# KiCad board phnx.kicad_pcb
title: Phoenix Keyboard; date: 2024-03-17; rev: A
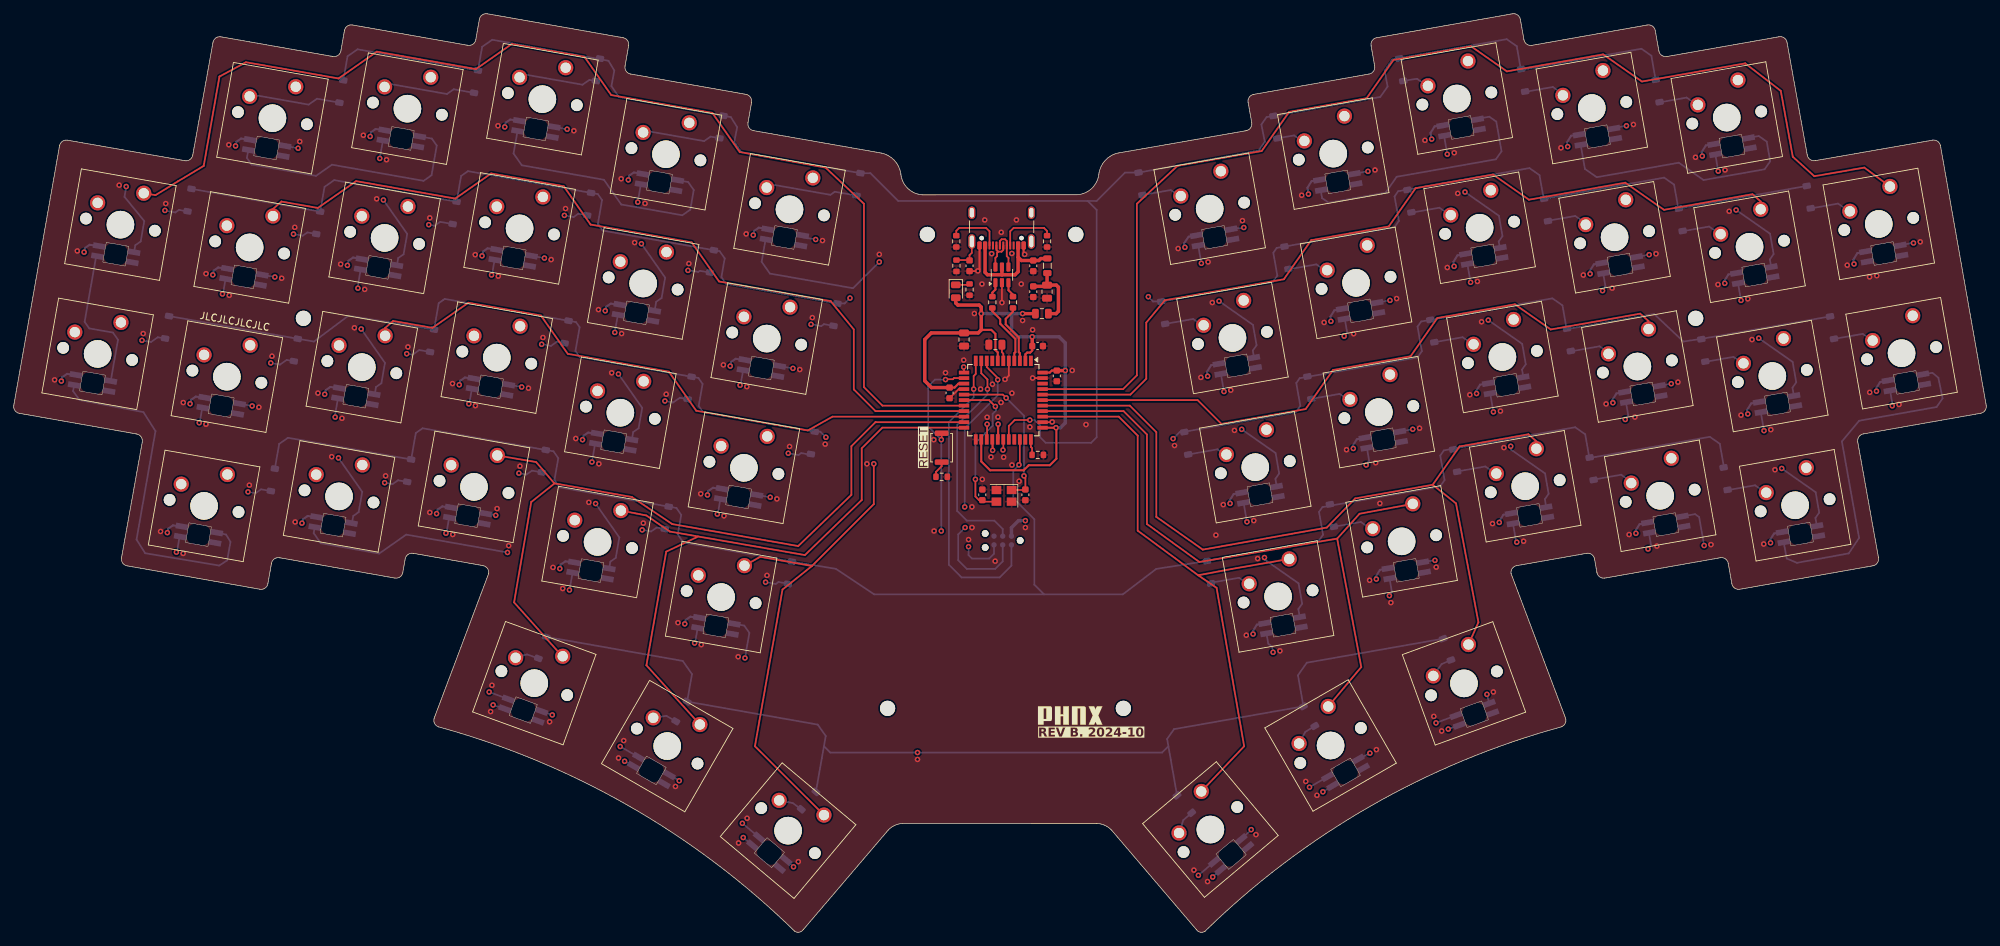
[diagram p0: board, top side]
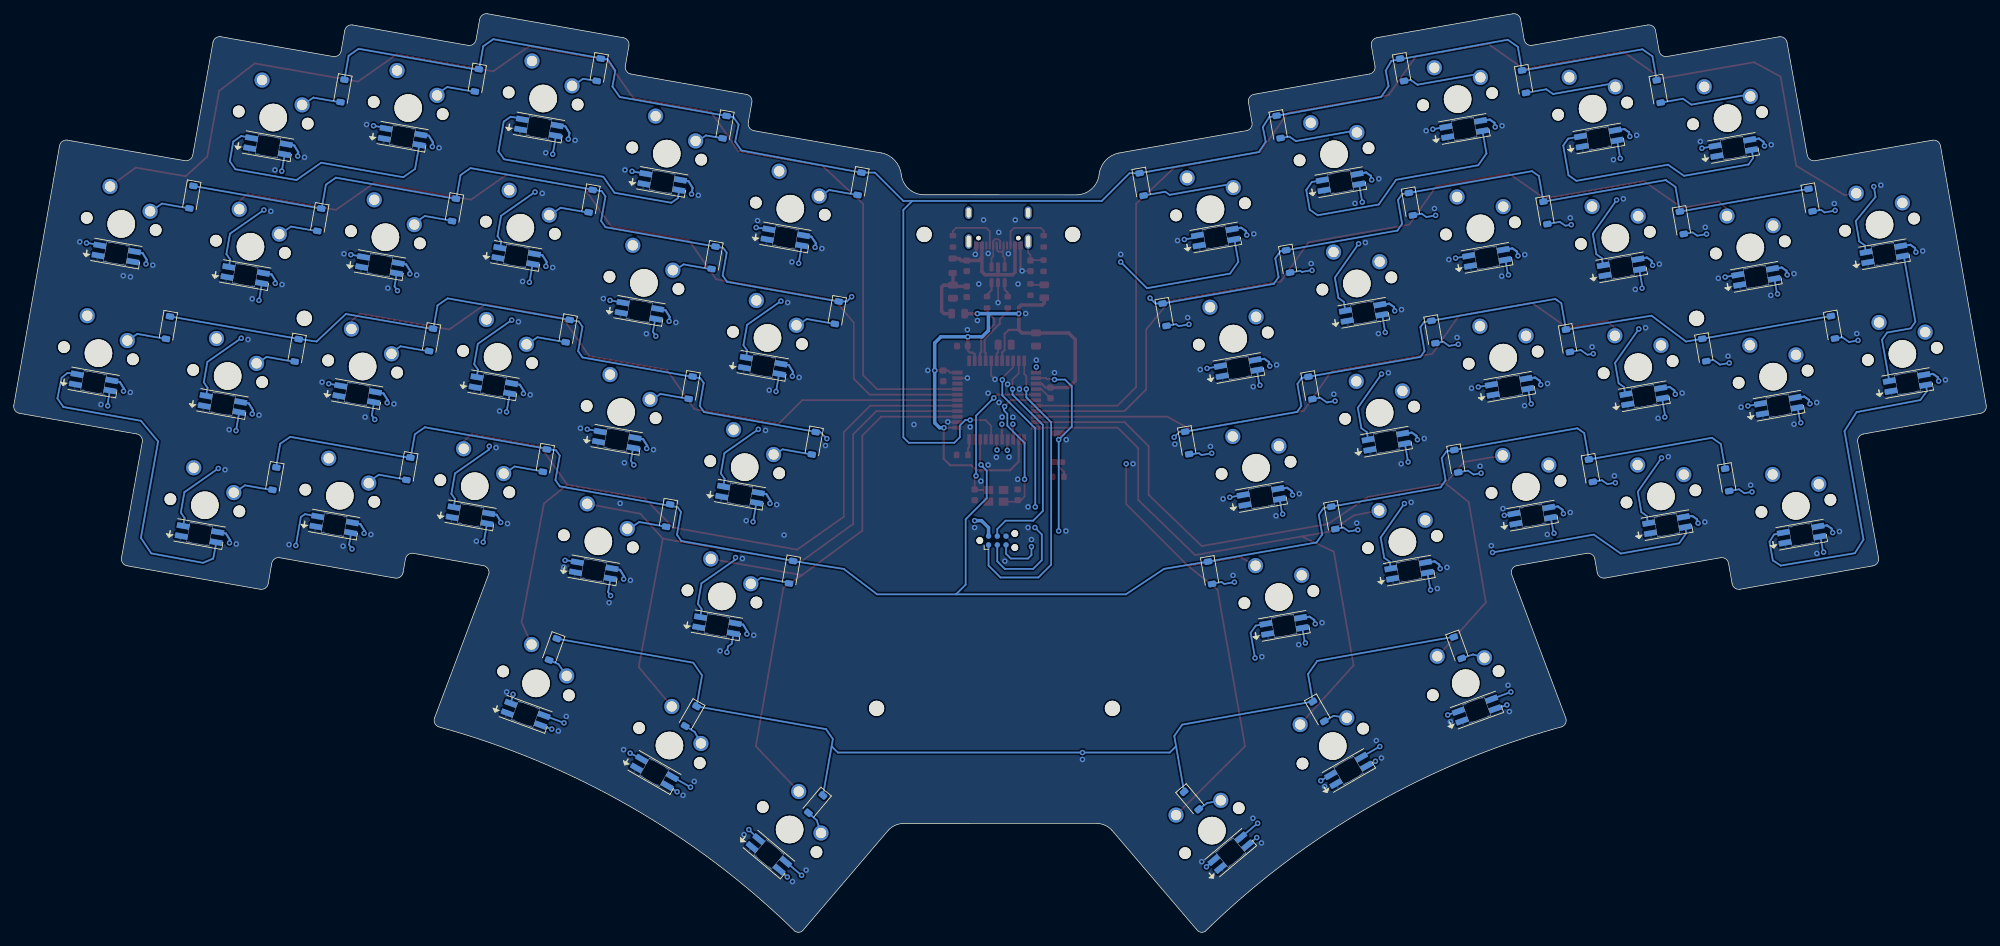
[diagram p1: board, bottom side, seen from below]

Outline 286.26 x 133.32 mm; copper layers: Top, In1.Cu, In2.Cu, Bottom. Coordinates in mm from the lower left corner of the outline.
Outline path: 0.81,75.32 arc(0.17,75.73) 0,76.48 6.64,114.16 arc(7.05,114.8) 7.8,114.97 24.82,111.99 arc(25.56,112.16) 25.97,112.81 28.91,129.17 arc(29.32,129.81) 30.07,129.98 46.31,127.12 arc(47.06,127.29) 47.47,127.93 47.99,130.89 arc(48.4,131.53) 49.15,131.7 65.89,128.74 arc(66.64,128.91) 67.05,129.56 67.57,132.51 arc(67.98,133.16) 68.73,133.32 88.43,129.85 arc(89.07,129.44) 89.24,128.69 88.72,125.74 arc(88.88,124.99) 89.53,124.58 106.27,121.63 arc(106.91,121.21) 107.08,120.47 106.56,117.51 arc(106.72,116.76) 107.37,116.35 125.94,113.1 arc(127.83,112.02) 128.74,110.05 arc(129.77,107.95) 131.92,107.04 154.3,107.06 arc(156.45,107.97) 157.48,110.06 arc(158.4,112.03) 160.29,113.11 178.85,116.35 arc(179.5,116.76) 179.67,117.51 179.14,120.47 arc(179.31,121.21) 179.96,121.63 196.7,124.58 arc(197.34,124.99) 197.51,125.74 196.99,128.69 arc(197.15,129.44) 197.8,129.85 217.49,133.32 arc(218.24,133.16) 218.65,132.51 219.17,129.56 arc(219.59,128.91) 220.33,128.74 237.07,131.7 arc(237.82,131.53) 238.23,130.89 238.75,127.93 arc(239.17,127.29) 239.91,127.12 256.2,129.99 arc(256.94,129.82) 257.36,129.18 260.29,112.82 arc(260.7,112.17) 261.45,112.01 278.47,114.98 arc(279.21,114.81) 279.63,114.17 286.26,76.49 arc(286.1,75.74) 285.45,75.33 268.43,72.33 arc(267.78,71.92) 267.62,71.17 270.63,54.35 arc(270.47,53.6) 269.82,53.19 250.5,49.78 arc(249.76,49.95) 249.34,50.6 248.82,53.55 arc(248.41,54.2) 247.66,54.36 230.92,51.41 arc(230.18,51.57) 229.76,52.22 229.42,54.19 arc(229.01,54.83) 228.26,55 218.12,53.21 arc(217.48,52.8) 217.31,52.05 225.2,31.1 arc(225.17,30.33) 224.61,29.81 arc(196.85,18.28) 172.89,0.14 arc(172.22,0) 171.65,0.37 159.31,14.83 arc(158.35,15.52) 157.2,15.79 129.03,15.8 arc(127.88,15.52) 126.92,14.84 114.57,0.37 arc(114,0) 113.34,0.14 arc(89.37,18.28) 61.62,29.81 arc(61.06,30.33) 61.02,31.1 68.91,52.05 arc(68.75,52.8) 68.1,53.21 57.97,55 arc(57.22,54.83) 56.81,54.19 56.46,52.22 arc(56.05,51.57) 55.3,51.41 38.56,54.36 arc(37.81,54.2) 37.4,53.55 36.88,50.6 arc(36.47,49.95) 35.72,49.78 16.44,53.18 arc(15.8,53.59) 15.63,54.34 18.65,71.16 arc(18.48,71.91) 17.84,72.32 0.81,75.32
Stack: Top 0.035mm / dielectric 0.1mm FR4 er 4.5 / In1.Cu 0.035mm / dielectric 1.24mm FR4 er 4.5 / In2.Cu 0.035mm / dielectric 0.1mm FR4 er 4.5 / Bottom 0.035mm

## Placement (name value [footprint] x y rotation side)
C1  10n  [C_0603_1608Metric]  147.96 96.73 270 top
C2  100n  [C_0603_1608Metric]  147.96 92.98 270 top
C3  4u7  [C_0805_2012Metric]  149.96 92.98 270 top
C4  4n7 250V  [C_0603_1608Metric]  138.71 96.74 270 top
C5  100n  [C_0603_1608Metric]  151.37 80.76 270 top
C6  100n  [C_0603_1608Metric]  135.81 78.29 270 top
C7  100n  [C_0603_1608Metric]  148.59 85.09 0 top
C8  4u7  [C_0805_2012Metric]  137.91 86.04 270 top
C9  1u  [C_0805_2012Metric]  142.46 85.29 180 top
C10  22p  [C_0603_1608Metric]  140.57 63.49 270 top
C11  22p  [C_0603_1608Metric]  146.82 63.49 90 top
D109  LED  [LED_0805_2012Metric]  136.71 93.04 270 top
D402  D_Small  [D_SOD-123]  25.5 106.28 260 bottom
D403  D_Small  [D_SOD-123]  22.24 87.81 260 bottom
D405  D_Small  [D_SOD-123]  47.54 122.04 260 bottom
D406  D_Small  [D_SOD-123]  44.18 102.98 260 bottom
D407  D_Small  [D_SOD-123]  40.93 84.52 260 bottom
D408  D_Small  [D_SOD-123]  37.6 65.66 260 bottom
D409  D_Small  [D_SOD-123]  67.09 123.47 260 bottom
D410  D_Small  [D_SOD-123]  63.98 104.42 260 bottom
D411  D_Small  [D_SOD-123]  60.71 85.85 260 bottom
D412  D_Small  [D_SOD-123]  57.38 67 260 bottom
D413  D_Small  [D_SOD-123]  84.78 125.19 260 bottom
D414  D_Small  [D_SOD-123]  83.5 105.7 260 bottom
D415  D_Small  [D_SOD-123]  80.23 87.13 260 bottom
D416  D_Small  [D_SOD-123]  76.92 68.38 260 bottom
D417  D_Small  [D_SOD-123]  76.7 41.3 250 bottom
D418  D_Small  [D_SOD-123]  102.7 116.9 260 bottom
D419  D_Small  [D_SOD-123]  101.33 97.38 260 bottom
D420  D_Small  [D_SOD-123]  98.09 79.01 260 bottom
D421  D_Small  [D_SOD-123]  94.76 60.15 260 bottom
D422  D_Small  [D_SOD-123]  96.9 32.05 240 bottom
D423  D_Small  [D_SOD-123]  122.59 108.56 260 bottom
D424  D_Small  [D_SOD-123]  119.26 89.64 260 bottom
D425  D_Small  [D_SOD-123]  115.97 71.03 260 bottom
D426  D_Small  [D_SOD-123]  112.65 52.18 260 bottom
D427  D_Small  [D_SOD-123#2]  115.35 19.11 230 bottom
D428  D_Small  [D_SOD-123]  163.52 108.64 280 bottom
D429  D_Small  [D_SOD-123]  166.82 89.93 280 bottom
D430  D_Small  [D_SOD-123]  170.16 70.97 280 bottom
D431  D_Small  [D_SOD-123]  173.46 52.26 280 bottom
D432  D_Small  [D_SOD-123]  169.89 18.6 310 bottom
D433  D_Small  [D_SOD-123]  183.1 116.87 280 bottom
D434  D_Small  [D_SOD-123]  184.7 97.91 280 bottom
D435  D_Small  [D_SOD-123]  188.03 79.05 280 bottom
D436  D_Small  [D_SOD-123]  191.3 60.49 280 bottom
D437  D_Small  [D_SOD-123]  188 31.36 300 bottom
D438  D_Small  [D_SOD-123]  201.36 125.2 280 bottom
D439  D_Small  [D_SOD-123]  202.55 106.13 280 bottom
D440  D_Small  [D_SOD-123]  205.87 87.27 280 bottom
D441  D_Small  [D_SOD-123]  209.19 68.46 280 bottom
D442  D_Small  [D_SOD-123]  208.02 41.06 290 bottom
D443  D_Small  [D_SOD-123]  219.05 123.66 280 bottom
D444  D_Small  [D_SOD-123]  222.37 104.85 280 bottom
D445  D_Small  [D_SOD-123]  225.7 85.99 280 bottom
D446  D_Small  [D_SOD-123]  229 67.28 280 bottom
D447  D_Small  [D_SOD-123]  238.57 122.13 280 bottom
D448  D_Small  [D_SOD-123]  241.92 103.42 280 bottom
D449  D_Small  [D_SOD-123]  245.21 84.46 280 bottom
D450  D_Small  [D_SOD-123]  248.44 65.83 280 bottom
D452  D_Small  [D_SOD-123]  260.5 106.71 280 bottom
D453  D_Small  [D_SOD-123]  263.89 87.76 280 bottom
D502  SK6812MINI-E  [LED_SK6812MINI-E_3.2x2.8mm_P1.5mm-INVERTED]  14.8 98.42 170 bottom
D503  SK6812MINI-E  [LED_SK6812MINI-E_3.2x2.8mm_P1.5mm-INVERTED]  11.42 79.72 170 bottom
D505  SK6812MINI-E  [LED_SK6812MINI-E_3.2x2.8mm_P1.5mm-INVERTED]  36.7 113.85 170 bottom
D506  SK6812MINI-E  [LED_SK6812MINI-E_3.2x2.8mm_P1.5mm-INVERTED]  33.4 95.14 170 bottom
D507  SK6812MINI-E  [LED_SK6812MINI-E_3.2x2.8mm_P1.5mm-INVERTED]  30.11 76.42 170 bottom
D508  SK6812MINI-E  [LED_SK6812MINI-E_3.2x2.8mm_P1.5mm-INVERTED]  26.81 57.71 170 bottom
D509  SK6812MINI-E  [LED_SK6812MINI-E_3.2x2.8mm_P1.5mm-INVERTED]  56.24 115.23 170 bottom
D510  SK6812MINI-E  [LED_SK6812MINI-E_3.2x2.8mm_P1.5mm-INVERTED]  52.94 96.51 170 bottom
D511  SK6812MINI-E  [LED_SK6812MINI-E_3.2x2.8mm_P1.5mm-INVERTED]  49.64 77.8 170 bottom
D512  SK6812MINI-E  [LED_SK6812MINI-E_3.2x2.8mm_P1.5mm-INVERTED]  46.34 59.09 170 bottom
D513  SK6812MINI-E  [LED_SK6812MINI-E_3.2x2.8mm_P1.5mm-INVERTED]  75.78 116.6 170 bottom
D514  SK6812MINI-E  [LED_SK6812MINI-E_3.2x2.8mm_P1.5mm-INVERTED]  72.48 97.89 170 bottom
D515  SK6812MINI-E  [LED_SK6812MINI-E_3.2x2.8mm_P1.5mm-INVERTED]  69.18 79.18 170 bottom
D516  SK6812MINI-E  [LED_SK6812MINI-E_3.2x2.8mm_P1.5mm-INVERTED]  65.88 60.47 170 bottom
D517  SK6812MINI-E  [LED_SK6812MINI-E_3.2x2.8mm_P1.5mm-INVERTED]  73.93 32.25 160 bottom
D518  SK6812MINI-E  [LED_SK6812MINI-E_3.2x2.8mm_P1.5mm-INVERTED]  93.71 108.87 170 bottom
D519  SK6812MINI-E  [LED_SK6812MINI-E_3.2x2.8mm_P1.5mm-INVERTED]  90.36 89.92 170 bottom
D520  SK6812MINI-E  [LED_SK6812MINI-E_3.2x2.8mm_P1.5mm-INVERTED]  87.06 71.2 170 bottom
D521  SK6812MINI-E  [LED_SK6812MINI-E_3.2x2.8mm_P1.5mm-INVERTED]  83.76 52.49 170 bottom
D522  SK6812MINI-E  [LED_SK6812MINI-E_3.2x2.8mm_P1.5mm-INVERTED]  92.53 23.49 150 bottom
D523  SK6812MINI-E  [LED_SK6812MINI-E_3.2x2.8mm_P1.5mm-INVERTED]  111.84 100.85 170 bottom
D524  SK6812MINI-E  [LED_SK6812MINI-E_3.2x2.8mm_P1.5mm-INVERTED]  108.5 81.89 170 bottom
D525  SK6812MINI-E  [LED_SK6812MINI-E_3.2x2.8mm_P1.5mm-INVERTED]  105.2 63.18 170 bottom
D526  SK6812MINI-E  [LED_SK6812MINI-E_3.2x2.8mm_P1.5mm-INVERTED]  101.9 44.47 170 bottom
D527  SK6812MINI-E  [LED_SK6812MINI-E_3.2x2.8mm_P1.5mm-INVERTED]  109.66 11.55 140 bottom
D528  SK6812MINI-E  [LED_SK6812MINI-E_3.2x2.8mm_P1.5mm-INVERTED]  174.28 100.86 190 bottom
D529  SK6812MINI-E  [LED_SK6812MINI-E_3.2x2.8mm_P1.5mm-INVERTED]  177.57 82.23 190 bottom
D530  SK6812MINI-E  [LED_SK6812MINI-E_3.2x2.8mm_P1.5mm-INVERTED]  180.87 63.52 190 bottom
D531  SK6812MINI-E  [LED_SK6812MINI-E_3.2x2.8mm_P1.5mm-INVERTED]  184.21 44.56 190 bottom
D532  SK6812MINI-E  [LED_SK6812MINI-E_3.2x2.8mm_P1.5mm-INVERTED]  176.67 11.3 220 bottom
D533  SK6812MINI-E  [LED_SK6812MINI-E_3.2x2.8mm_P1.5mm-INVERTED]  192.16 108.92 190 bottom
D534  SK6812MINI-E  [LED_SK6812MINI-E_3.2x2.8mm_P1.5mm-INVERTED]  195.46 90.2 190 bottom
D535  SK6812MINI-E  [LED_SK6812MINI-E_3.2x2.8mm_P1.5mm-INVERTED]  198.75 71.49 190 bottom
D536  SK6812MINI-E  [LED_SK6812MINI-E_3.2x2.8mm_P1.5mm-INVERTED]  202.1 52.54 190 bottom
D537  SK6812MINI-E  [LED_SK6812MINI-E_3.2x2.8mm_P1.5mm-INVERTED]  193.28 23.21 210 bottom
D538  SK6812MINI-E  [LED_SK6812MINI-E_3.2x2.8mm_P1.5mm-INVERTED]  210.06 116.82 190 bottom
D539  SK6812MINI-E  [LED_SK6812MINI-E_3.2x2.8mm_P1.5mm-INVERTED]  213.34 98.18 190 bottom
D540  SK6812MINI-E  [LED_SK6812MINI-E_3.2x2.8mm_P1.5mm-INVERTED]  216.65 79.4 190 bottom
D541  SK6812MINI-E  [LED_SK6812MINI-E_3.2x2.8mm_P1.5mm-INVERTED]  219.98 60.51 190 bottom
D542  SK6812MINI-E  [LED_SK6812MINI-E_3.2x2.8mm_P1.5mm-INVERTED]  211.98 31.65 200 bottom
D543  SK6812MINI-E  [LED_SK6812MINI-E_3.2x2.8mm_P1.5mm-INVERTED]  229.84 115.48 190 bottom
D544  SK6812MINI-E  [LED_SK6812MINI-E_3.2x2.8mm_P1.5mm-INVERTED]  233.12 96.85 190 bottom
D545  SK6812MINI-E  [LED_SK6812MINI-E_3.2x2.8mm_P1.5mm-INVERTED]  236.42 78.13 190 bottom
D546  SK6812MINI-E  [LED_SK6812MINI-E_3.2x2.8mm_P1.5mm-INVERTED]  239.77 59.18 190 bottom
D547  SK6812MINI-E  [LED_SK6812MINI-E_3.2x2.8mm_P1.5mm-INVERTED]  249.37 114.1 190 bottom
D548  SK6812MINI-E  [LED_SK6812MINI-E_3.2x2.8mm_P1.5mm-INVERTED]  252.67 95.39 190 bottom
D549  SK6812MINI-E  [LED_SK6812MINI-E_3.2x2.8mm_P1.5mm-INVERTED]  255.97 76.68 190 bottom
D550  SK6812MINI-E  [LED_SK6812MINI-E_3.2x2.8mm_P1.5mm-INVERTED]  259.3 57.8 190 bottom
D552  SK6812MINI-E  [LED_SK6812MINI-E_3.2x2.8mm_P1.5mm-INVERTED]  271.38 98.52 190 bottom
D553  SK6812MINI-E  [LED_SK6812MINI-E_3.2x2.8mm_P1.5mm-INVERTED]  274.68 79.81 190 bottom
F1  6V 500MA  [Fuse_0805_2012Metric]  149.21 89.79 180 top
FB1  220 @ 100MHz  [L_0805_2012Metric]  150 96.74 270 top
G***  -  [LOGO]  271.02 -56.21 0 top
G***#2  -  [LOGO]  153.32 31.49 0 top
H1  MountingHole  [MountingHole_2.2mm_M2_ISO14580]  132.59 101.29 0 top
H2  MountingHole  [MountingHole_2.2mm_M2_ISO14580]  154.14 101.29 0 top
H3  MountingHole  [MountingHole_2.2mm_M2_ISO14580]  126.82 32.49 0 top
H4  MountingHole  [MountingHole_2.2mm_M2_ISO14580]  161.04 32.49 0 top
H6  MountingHole  [MountingHole_2.2mm_M2_ISO14580]  42.04 89.11 0 top
H8  MountingHole  [MountingHole_2.2mm_M2_ISO14580]  244.1 89.11 0 top
J1  USB_C_Receptacle_USB2.0  [USB_C_Receptacle_GCT_USB4105-xx-A_16P_TopMnt_Horizontal]  143.36 103.37 180 top
J3  Conn_AVR_TagConnect_TC2030  [Tag-Connect_TC2030-IDC-NL_2x03_P1.27mm_Vertical]  143.53 56.86 180 bottom
R1  10M  [R_0603_1608Metric]  136.81 96.74 270 top
R2  5k1  [R_0603_1608Metric]  149.96 100.29 270 top
R3  22  [R_0603_1608Metric]  142.02 91.44 270 top
R4  22  [R_0603_1608Metric]  145.02 91.44 270 top
R5  5k1  [R_0603_1608Metric]  136.79 100.29 270 top
R6  10k  [R_0603_1608Metric]  148.61 69.29 0 top
R7  10k  [R_0603_1608Metric]  134.66 66.11 0 top
R8  10k  [R_0603_1608Metric]  138.71 93.29 270 top
SW55  SW_Push  [SW_Push_SPST_NO_Alps_SKRK]  134.66 70.34 270 top
SW402  SW_Push_45deg  [SW_Cherry_MX_1.00u_PCB]  18.86 107.27 350 top
SW403  SW_Push_45deg  [SW_Cherry_MX_1.00u_PCB]  15.55 88.51 350 top
SW405  SW_Push_45deg  [SW_Cherry_MX_1.00u_PCB]  40.92 122.73 350 top
SW406  SW_Push_45deg  [SW_Cherry_MX_1.00u_PCB]  37.62 103.97 350 top
SW407  SW_Push_45deg  [SW_Cherry_MX_1.00u_PCB]  34.31 85.21 350 top
SW408  SW_Push_45deg  [SW_Cherry_MX_1.00u_PCB]  31 66.44 350 top
SW409  SW_Push_45deg  [SW_Cherry_MX_1.00u_PCB]  60.51 124.11 350 top
SW410  SW_Push_45deg  [SW_Cherry_MX_1.00u_PCB]  57.2 105.35 350 top
SW411  SW_Push_45deg  [SW_Cherry_MX_1.00u_PCB]  53.9 86.59 350 top
SW412  SW_Push_45deg  [SW_Cherry_MX_1.00u_PCB]  50.59 67.83 350 top
SW413  SW_Push_45deg  [SW_Cherry_MX_1.00u_PCB]  80.1 125.49 350 top
SW414  SW_Push_45deg  [SW_Cherry_MX_1.00u_PCB]  76.79 106.73 350 top
SW415  SW_Push_45deg  [SW_Cherry_MX_1.00u_PCB]  73.48 87.97 350 top
SW416  SW_Push_45deg  [SW_Cherry_MX_1.00u_PCB]  70.18 69.21 350 top
SW417  SW_Push_45deg  [SW_Cherry_MX_1.00u_PCB]  79.67 40.06 340 top
SW418  SW_Push_45deg  [SW_Cherry_MX_1.00u_PCB]  98.03 117.49 350 top
SW419  SW_Push_45deg  [SW_Cherry_MX_1.00u_PCB]  94.73 98.73 350 top
SW420  SW_Push_45deg  [SW_Cherry_MX_1.00u_PCB]  91.42 79.97 350 top
SW421  SW_Push_45deg  [SW_Cherry_MX_1.00u_PCB]  88.11 61.21 350 top
SW422  SW_Push_45deg  [SW_Cherry_MX_1.00u_PCB]  99.57 30.15 330 top
SW423  SW_Push_45deg  [SW_Cherry_MX_1.00u_PCB]  115.97 109.49 350 top
SW424  SW_Push_45deg  [SW_Cherry_MX_1.00u_PCB]  112.66 90.73 350 top
SW425  SW_Push_45deg  [SW_Cherry_MX_1.00u_PCB]  109.35 71.97 350 top
SW426  SW_Push_45deg  [SW_Cherry_MX_1.00u_PCB]  106.04 53.21 350 top
SW427  SW_Push_45deg  [SW_Cherry_MX_1.00u_PCB#2]  117.59 17.01 320 top
SW428  SW_Push_45deg  [SW_Cherry_MX_1.00u_PCB]  175.19 110.47 10 top
SW429  SW_Push_45deg  [SW_Cherry_MX_1.00u_PCB]  178.49 91.71 10 top
SW430  SW_Push_45deg  [SW_Cherry_MX_1.00u_PCB]  181.8 72.95 10 top
SW431  SW_Push_45deg  [SW_Cherry_MX_1.00u_PCB]  185.11 54.19 10 top
SW432  SW_Push_45deg  [SW_Cherry_MX_1.00u_PCB]  172.35 20.43 40 top
SW433  SW_Push_45deg  [SW_Cherry_MX_1.00u_PCB]  193.12 118.47 10 top
SW434  SW_Push_45deg  [SW_Cherry_MX_1.00u_PCB]  196.43 99.71 10 top
SW435  SW_Push_45deg  [SW_Cherry_MX_1.00u_PCB]  199.74 80.95 10 top
SW436  SW_Push_45deg  [SW_Cherry_MX_1.00u_PCB]  203.04 62.19 10 top
SW437  SW_Push_45deg  [SW_Cherry_MX_1.00u_PCB]  190.77 32.77 30 top
SW438  SW_Push_45deg  [SW_Cherry_MX_1.00u_PCB]  211.05 126.47 10 top
SW439  SW_Push_45deg  [SW_Cherry_MX_1.00u_PCB]  214.36 107.71 10 top
SW440  SW_Push_45deg  [SW_Cherry_MX_1.00u_PCB]  217.67 88.94 10 top
SW441  SW_Push_45deg  [SW_Cherry_MX_1.00u_PCB]  220.98 70.18 10 top
SW442  SW_Push_45deg  [SW_Cherry_MX_1.00u_PCB]  211.12 41.77 20 top
SW443  SW_Push_45deg  [SW_Cherry_MX_1.00u_PCB]  230.64 125.08 10 top
SW444  SW_Push_45deg  [SW_Cherry_MX_1.00u_PCB]  233.95 106.32 10 top
SW445  SW_Push_45deg  [SW_Cherry_MX_1.00u_PCB]  237.26 87.56 10 top
SW446  SW_Push_45deg  [SW_Cherry_MX_1.00u_PCB]  240.56 68.8 10 top
SW447  SW_Push_45deg  [SW_Cherry_MX_1.00u_PCB]  250.23 123.7 10 top
SW448  SW_Push_45deg  [SW_Cherry_MX_1.00u_PCB]  253.54 104.94 10 top
SW449  SW_Push_45deg  [SW_Cherry_MX_1.00u_PCB]  256.84 86.18 10 top
SW450  SW_Push_45deg  [SW_Cherry_MX_1.00u_PCB]  260.15 67.42 10 top
SW452  SW_Push_45deg  [SW_Cherry_MX_1.00u_PCB]  272.29 108.26 10 top
SW453  SW_Push_45deg  [SW_Cherry_MX_1.00u_PCB]  275.6 89.49 10 top
U1  ATmega32U4-A  [TQFP-44_10x10mm_P0.8mm]  143.61 77.24 270 top
U2  USBLC6-2SC6  [SOT-23-6]  143.41 95.43 90 top
Y2  16MHz  [Crystal_SMD_3225-4Pin_3.2x2.5mm]  143.72 63.34 180 top

## Library data of the parts
C1-C11 = -: ki_fp_filters: C_*
D109 = -: Description: Light emitting diode; ki_fp_filters: LED* LED_SMD:* LED_THT:*
D402 D403 D405-D450 D452 D453 = -: Description: Diode, small symbol; Sim.Device: D; Sim.Pins: 1=K 2=A; ki_fp_filters: TO-???* *_Diode_* *SingleDiode* D_*
D502 D503 D505-D550 D552 D553 = -: Datasheet: https://cdn-shop.adafruit.com/product-files/2686/SK6812MINI_REV.01-1-2.pdf; Description: RGB LED with integrated controller; ki_fp_filters: LED*SK6812MINI*PLCC*3.5x3.5mm*P1.75mm*
F1 = -: ki_fp_filters: *polyfuse* *PTC*
FB1 = -: Description: Ferrite bead, small symbol; ki_fp_filters: Inductor_* L_* *Ferrite*
H1-H4 H6 H8 = -: Description: Mounting Hole without connection; ki_fp_filters: MountingHole*
J1 = -: Datasheet: https://www.usb.org/sites/default/files/documents/usb_type-c.zip; ki_fp_filters: USB*C*Receptacle*
R1-R7 = -: ki_fp_filters: R_*
R8 = -: Description: Resistor, small symbol; ki_fp_filters: R_*
SW55 = -: Description: Push button switch, generic, two pins
SW402 SW403 SW405-SW450 SW452 SW453 = -: Description: Push button switch, normally open, two pins, 45° tilted
U1 = -: Datasheet: http://ww1.microchip.com/downloads/en/DeviceDoc/Atmel-7766-8-bit-AVR-ATmega16U4-32U4_Datasheet.pdf; ki_fp_filters: TQFP*10x10mm*P0.8mm*
U2 = -: Datasheet: https://www.st.com/resource/en/datasheet/usblc6-2.pdf; ki_fp_filters: SOT?23*
Y2 = -: Description: Four pin crystal, GND on pins 2 and 4, small symbol; ki_fp_filters: Crystal*

## Footprints (pads in the part's own frame, mm; a bottom-side part is the same pattern mirrored in y, then rotated)
C_0603_1608Metric
  rrect 0.9x0.95 smd: 1(-0.775,0) 2(0.775,0)
C_0805_2012Metric
  rrect 1x1.45 smd: 1(-0.95,0) 2(0.95,0)
Crystal_SMD_3225-4Pin_3.2x2.5mm
  rect 1.4x1.2 smd: 1(-1.1,-0.85) 2(1.1,-0.85) 3(1.1,0.85) 4(-1.1,0.85)
D_SOD-123
  rrect 0.9x1.2 smd: 1(-1.65,0) 2(1.65,0)
D_SOD-123#2
  rrect 0.9x1.2 smd: 1(-1.65,0) 2(1.65,0)
Fuse_0805_2012Metric
  rrect 0.975x1.4 smd: 1(-0.938,0) 2(0.938,0)
L_0805_2012Metric
  rrect 0.875x1.2 smd: 1(-1.062,0) 2(1.062,0)
LED_0805_2012Metric
  rrect 0.975x1.4 smd: 1(-0.938,0) 2(0.938,0)
LED_SK6812MINI-E_3.2x2.8mm_P1.5mm-INVERTED
  rect 1.8x0.82 smd: 1(2.575,0.75) 2(2.575,-0.75) 3(-2.575,-0.75) 4(-2.575,0.75)
MountingHole_2.2mm_M2_ISO14580
  round 2.2 hole 2.2 unplated: (0,0)
R_0603_1608Metric
  rrect 0.8x0.95 smd: 1(-0.825,0) 2(0.825,0)
SOT-23-6
  rrect 1.325x0.6 smd: 1(-1.137,0.95) 2(-1.137,0) 3(-1.137,-0.95) 4(1.137,-0.95) 5(1.137,0) 6(1.137,0.95)
SW_Cherry_MX_1.00u_PCB
  round 1.7 hole 1.7 unplated: (-7.62,-5.08) (2.54,-5.08)
  round 4 hole 4 unplated: (-2.54,-5.08)
  round 2.2 hole 1.5: 1(0,0) 2(-6.35,-2.54)
SW_Cherry_MX_1.00u_PCB#2
  round 1.7 hole 1.7 unplated: (-7.62,-5.08) (2.54,-5.08)
  round 4 hole 4 unplated: (-2.54,-5.08)
  round 2.2 hole 1.5: 1(0,0) 2(-6.35,-2.54)
SW_Push_SPST_NO_Alps_SKRK
  rrect 0.8x2 smd: 1(-2.1,0) 2(2.1,0)
Tag-Connect_TC2030-IDC-NL_2x03_P1.27mm_Vertical
  round 0.991 hole 0.991 unplated: (-2.54,0) (2.54,-1.016) (2.54,1.016)
  round 0.787 smd: 1(-1.27,-0.635) 2(-1.27,0.635) 3(0,-0.635) 4(0,0.635) 5(1.27,-0.635) 6(1.27,0.635)
TQFP-44_10x10mm_P0.8mm
  rect 1.5x0.55 smd: 1(-5.7,4) 2(-5.7,3.2) 3(-5.7,2.4) 4(-5.7,1.6) 5(-5.7,0.8) 6(-5.7,0) 7(-5.7,-0.8) 8(-5.7,-1.6) 9(-5.7,-2.4) 10(-5.7,-3.2) 11(-5.7,-4) 23(5.7,-4) 24(5.7,-3.2) 25(5.7,-2.4) 26(5.7,-1.6) 27(5.7,-0.8) 28(5.7,0) 29(5.7,0.8) 30(5.7,1.6) 31(5.7,2.4) 32(5.7,3.2) 33(5.7,4)
  rect 0.55x1.5 smd: 12(-4,-5.7) 13(-3.2,-5.7) 14(-2.4,-5.7) 15(-1.6,-5.7) 16(-0.8,-5.7) 17(0,-5.7) 18(0.8,-5.7) 19(1.6,-5.7) 20(2.4,-5.7) 21(3.2,-5.7) 22(4,-5.7) 34(4,5.7) 35(3.2,5.7) 36(2.4,5.7) 37(1.6,5.7) 38(0.8,5.7) 39(0,5.7) 40(-0.8,5.7) 41(-1.6,5.7) 42(-2.4,5.7) 43(-3.2,5.7) 44(-4,5.7)
USB_C_Receptacle_GCT_USB4105-xx-A_16P_TopMnt_Horizontal
  round 0.65 hole 0.65 unplated: (-2.89,2.605) (2.89,2.605)
  rrect 0.6x1.15 smd: A1(-3.2,3.68) A4(-2.4,3.68) A9(2.4,3.68) A12(3.2,3.68) B1(3.2,3.68) B4(2.4,3.68) B9(-2.4,3.68) B12(-3.2,3.68)
  rrect 0.3x1.15 smd: A5(-1.25,3.68) A6(-0.25,3.68) A7(0.25,3.68) A8(1.25,3.68) B5(1.75,3.68) B6(0.75,3.68) B7(-0.75,3.68) B8(-1.75,3.68)
  oval 1x2.1 hole 0.6x1.7: S1(-4.32,3.105) S1(4.32,3.105)
  oval 1x1.8 hole 0.6x1.4: S1(-4.32,-1.075) S1(4.32,-1.075)
